# Altium PCB micro-ltc-pvt1g.PcbDoc (part 1 of 4) (continued)
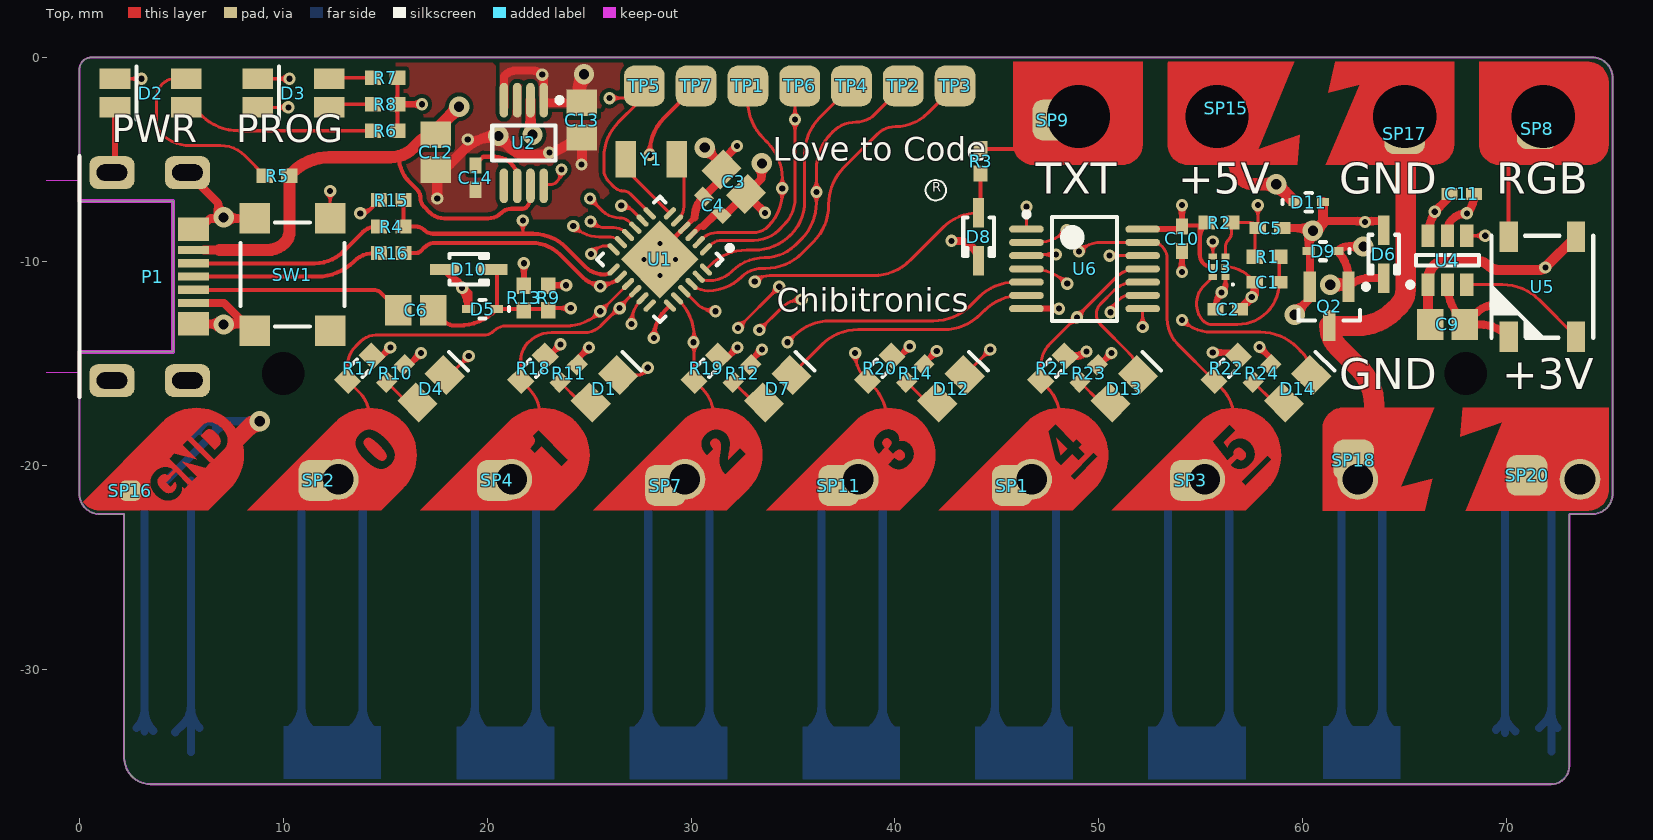
[diagram p0: Top view]
## Free pads (board coordinates)
  rrect25% 5x3.2 smd far side mask+0.07: 0(4.3,-20.1) 0(12.4,-20.1) 0(20.8,-20.1) 0(29.3,-20.1) 0(37.8,-20.1) 0(46.3,-20.1) 0(54.8,-20.1) 0(63.4,-20.1)
  round 1.5 hole 2.1 unplated: 0(10,-15.5) 0(68,-15.5)
  round 2 hole 1.5 mask+0.07: 0(12.7,-20.7) 0(21.2,-20.7) 0(29.7,-20.7) 0(38.2,-20.7) 0(46.7,-20.7) 0(55.2,-20.7) 0(62.7,-20.7) 0(73.6,-20.7)
  round 1.8 hole 3.1 mask+0.07: 0(49,-2.9) 0(55.8,-2.9) 0(65,-2.9) 0(71.8,-2.9)
  rrect25% 5.2x4.7 smd far side mask+0.07: 0(49,-2.7) 0(56.1,-2.7) 0(64.8,-2.7) 0(71.8,-2.7)
  rrect25% 5.6x3.2 smd far side mask+0.07: 0(71.8,-20.1)
  rect 0.254x0.051 on Top Overlay: 1(35.835,-9.768) 1(35.835,-9.006) 1(35.835,-8.65) 1(35.835,-7.888) 1(35.835,-7.533) 1(35.835,-9.717) 1(35.835,-9.666) 1(35.835,-9.615) 1(35.835,-9.565) 1(35.835,-9.514) 1(35.835,-9.463) 1(35.835,-9.412) 1(35.835,-9.361) 1(35.835,-9.311) 1(35.835,-9.26) 1(35.835,-9.209) 1(35.835,-9.158) 1(35.835,-9.107) 1(35.835,-9.057) 1(35.835,-8.955) 1(35.835,-8.904) 1(35.835,-8.853) 1(35.835,-8.803) 1(35.835,-8.752) 1(35.835,-8.701) 1(35.835,-8.599) 1(35.835,-8.549) 1(35.835,-8.498) 1(35.835,-8.447) 1(35.835,-8.396) 1(35.835,-8.345) 1(35.835,-8.295) 1(35.835,-8.244) 1(35.835,-8.193) 1(35.835,-8.142) 1(35.835,-8.091) 1(35.835,-8.041) 1(35.835,-7.99) 1(35.835,-7.939) 1(35.835,-7.837) 1(35.835,-7.787) 1(35.835,-7.736) 1(35.835,-7.685) 1(35.835,-7.634) 1(35.835,-7.583) 1(35.885,-9.971) 1(35.885,-9.92) 1(35.885,-7.329) 1(35.885,-7.279) 1(35.936,-10.123) 1(35.936,-7.126) 1(35.987,-7.025) 1(37.663,-9.971) 1(39.137,-9.971) 1(40.864,-7.075) 1(40.915,-10.073) 1(40.915,-10.022) 1(40.915,-7.228) 1(40.965,-9.869) 1(40.965,-9.514) 1(40.965,-9.158) 1(40.965,-9.107) 1(40.965,-8.752) 1(40.965,-8.396) 1(40.965,-8.345) 1(40.965,-8.041) 1(40.965,-7.99) 1(40.965,-7.634) 1(40.965,-9.819) 1(40.965,-9.768) 1(40.965,-9.717) 1(40.965,-9.666) 1(40.965,-9.412) 1(40.965,-9.361) 1(40.965,-9.311) 1(40.965,-9.26) 1(40.965,-9.057) 1(40.965,-9.006) 1(40.965,-8.955) 1(40.965,-8.904) 1(40.965,-8.803) 1(40.965,-8.701) 1(40.965,-8.65) 1(40.965,-8.599) 1(40.965,-8.549) 1(40.965,-8.295) 1(40.965,-8.244) 1(40.965,-8.193) 1(40.965,-8.142) 1(40.965,-7.939) 1(40.965,-7.888) 1(40.965,-7.837) 1(40.965,-7.787) 1(40.965,-7.685) 1(40.965,-7.533) 1(40.965,-7.482) 1(40.965,-7.431) 1(40.965,-9.615) 1(40.965,-9.565) 1(40.965,-9.463) 1(40.965,-9.209) 1(40.965,-8.853) 1(40.965,-8.498) 1(40.965,-8.447) 1(40.965,-8.091) 1(40.965,-7.736) 1(40.965,-7.583) 1(40.965,-7.38)
  rect 0.305x0.051 on Top Overlay: 1(35.86,-9.869) 1(35.86,-9.819) 1(35.86,-7.482) 1(35.86,-7.431) 1(35.86,-7.38) 1(35.911,-10.073) 1(35.911,-10.022) 1(35.911,-7.228) 1(35.911,-7.177) 1(35.962,-10.225) 1(35.962,-10.174) 1(35.962,-7.075) 1(36.012,-10.327) 1(36.012,-6.974) 1(36.012,-10.276) 1(36.012,-6.923) 1(36.063,-10.428) 1(36.063,-10.377) 1(36.063,-6.872) 1(36.114,-10.479) 1(36.114,-6.771) 1(36.165,-6.72) 1(37.13,-9.565) 1(37.13,-9.209) 1(37.13,-8.803) 1(37.13,-8.447) 1(37.13,-9.514) 1(37.13,-9.463) 1(37.13,-9.412) 1(37.13,-9.361) 1(37.13,-9.311) 1(37.13,-9.26) 1(37.13,-9.158) 1(37.13,-8.752) 1(37.13,-8.701) 1(37.13,-8.65) 1(37.13,-8.599) 1(37.13,-8.549) 1(37.13,-8.498) 1(37.13,-8.396) 1(37.689,-10.073) 1(37.689,-10.022) 1(38.4,-10.073) 1(38.4,-10.022) 1(38.4,-9.971) 1(39.111,-10.123) 1(39.111,-10.073) 1(39.162,-10.022) 1(40.635,-10.581) 1(40.686,-10.53) 1(40.686,-6.771) 1(40.737,-10.428) 1(40.737,-6.821) 1(40.788,-10.377) 1(40.788,-10.327) 1(40.788,-6.923) 1(40.838,-10.276) 1(40.838,-10.225) 1(40.838,-7.025) 1(40.838,-6.974) 1(40.889,-10.174) 1(40.889,-10.123) 1(40.889,-7.177) 1(40.889,-7.126) 1(40.94,-9.92) 1(40.94,-7.279) 1(40.94,-9.971) 1(40.94,-7.329)
  rect 0.356x0.051 on Top Overlay: 1(36.089,-6.821) 1(36.139,-10.53) 1(36.19,-6.669) 1(36.19,-10.581) 1(36.241,-10.631) 1(36.241,-6.618) 1(36.292,-10.682) 1(36.292,-6.567) 1(36.343,-6.517) 1(37.714,-10.123) 1(37.765,-10.174) 1(40.508,-10.733) 1(40.559,-6.618) 1(40.559,-10.682) 1(40.61,-10.631) 1(40.61,-6.669) 1(40.661,-6.72) 1(40.711,-10.479) 1(40.762,-6.872)
  rect 0.406x0.051 on Top Overlay: 1(36.317,-10.733) 1(36.368,-10.784) 1(36.419,-6.466) 1(36.47,-6.415) 1(38.4,-10.123) 1(39.06,-10.174) 1(40.381,-10.835) 1(40.432,-10.784) 1(40.432,-6.466) 1(40.483,-6.517) 1(40.534,-6.567)
  rect 0.457x0.051 on Top Overlay: 1(36.444,-10.835) 1(36.495,-10.885) 1(36.546,-6.364) 1(38.781,-10.428) 1(40.305,-10.885) 1(40.356,-6.415)
  rect 0.508x0.051 on Top Overlay: 1(36.571,-10.936) 1(36.622,-6.313) 1(38.044,-10.428) 1(38.4,-10.174) 1(40.178,-6.313) 1(40.229,-10.936) 1(40.28,-6.364)
  rect 0.559x0.051 on Top Overlay: 1(36.698,-10.987) 1(40.153,-10.987)
  rect 0.61x0.051 on Top Overlay: 1(36.724,-6.263) 1(38.044,-10.377) 1(40.076,-6.263)
  rect 0.66x0.051 on Top Overlay: 1(36.8,-11.038) 1(38.781,-10.377) 1(40,-11.038)
  rect 0.762x0.051 on Top Overlay: 1(36.901,-6.212) 1(39.949,-6.212)
  rect 1.27x0.051 on Top Overlay: 1(37.105,-9.057) 1(37.105,-9.006) 1(37.105,-8.904) 1(37.105,-8.955) 1(39.695,-9.107) 1(39.695,-9.057) 1(39.695,-9.006) 1(39.695,-8.955) 1(39.695,-8.904) 1(39.695,-8.853)
  rect 1.219x0.051 on Top Overlay: 1(37.13,-8.853) 1(37.13,-9.107)
  rect 0.203x0.051 on Top Overlay: 1(38.044,-10.479)
  rect 2.743x0.051 on Top Overlay: 1(38.4,-11.292)
  rect 3.353x0.051 on Top Overlay: 1(38.4,-11.19)
  rect 3.556x0.051 on Top Overlay: 1(38.4,-11.139)
  rect 1.626x0.051 on Top Overlay: 1(38.4,-10.225)
  rect 3.658x0.051 on Top Overlay: 1(38.4,-6.161)
  rect 3.454x0.051 on Top Overlay: 1(38.4,-6.11)
  rect 2.946x0.051 on Top Overlay: 1(38.4,-6.009)
  rect 2.54x0.051 on Top Overlay: 1(38.4,-5.958)
  rect 3.099x0.051 on Top Overlay: 1(38.425,-11.241)
  rect 3.2x0.051 on Top Overlay: 1(38.425,-6.059)
  rect 3.708x0.051 on Top Overlay: 1(38.425,-11.089)
  rect 1.473x0.051 on Top Overlay: 1(38.425,-10.327)
  rect 1.575x0.051 on Top Overlay: 1(38.425,-10.276)
  rect 0.152x0.051 on Top Overlay: 1(38.781,-10.479)
  rect 2.489x0.051 on Bottom Overlay: 1(50.364,-13.773) 1(50.364,-13.722) 1(50.364,-13.672) 1(52.65,-11.386)
  rect 2.54x0.051 on Bottom Overlay: 1(50.389,-14.027) 1(50.389,-13.926) 1(50.389,-13.875) 1(50.389,-13.824) 1(50.389,-13.621) 1(50.389,-13.519) 1(50.389,-13.468) 1(50.389,-13.418) 1(50.389,-13.976) 1(50.389,-13.57) 1(50.491,-13.214) 1(54.809,-13.214) 1(54.911,-13.976) 1(54.911,-13.926) 1(54.911,-13.875) 1(54.911,-13.824) 1(54.911,-13.773) 1(54.911,-13.722) 1(54.911,-13.672) 1(54.911,-13.621) 1(54.911,-13.57) 1(54.911,-13.519) 1(54.911,-13.468) 1(54.911,-13.418)
  rect 2.591x0.051 on Bottom Overlay: 1(50.415,-14.078) 1(50.415,-13.367) 1(50.415,-13.316) 1(50.415,-13.265) 1(50.415,-14.129) 1(50.466,-14.18) 1(54.834,-14.18) 1(54.885,-14.129) 1(54.885,-13.367) 1(54.885,-14.078) 1(54.885,-14.027) 1(54.885,-13.316)
  rect 0.102x0.051 on Bottom Overlay: 1(50.491,-10.928) 1(51.558,-16.161) 1(53.742,-16.161) 1(54.809,-10.928)
  rect 0.254x0.051 on Bottom Overlay: 1(50.516,-16.415) 1(50.516,-10.979) 1(51.532,-16.11) 1(53.768,-16.11) 1(54.784,-16.415) 1(54.784,-10.979)
  rect 0.356x0.051 on Bottom Overlay: 1(50.516,-16.364) 1(50.516,-11.03) 1(51.482,-16.059) 1(53.818,-16.059) 1(54.784,-11.03)
  rect 0.152x0.051 on Bottom Overlay: 1(50.516,-16.466) 1(54.784,-16.466)
  rect 0.457x0.051 on Bottom Overlay: 1(50.516,-11.081)
  rect 0.508x0.051 on Bottom Overlay: 1(50.542,-16.313) 1(54.758,-16.313) 1(54.758,-11.081)
  rect 0.61x0.051 on Bottom Overlay: 1(50.542,-16.262) 1(50.542,-11.132) 1(54.758,-11.132)
  rect 0.711x0.051 on Bottom Overlay: 1(50.542,-11.182)
  rect 0.762x0.051 on Bottom Overlay: 1(50.567,-16.212) 1(54.733,-16.212) 1(54.733,-11.182)
  rect 0.864x0.051 on Bottom Overlay: 1(50.567,-16.161) 1(50.567,-11.233) 1(52.65,-10.166) 1(54.733,-16.161) 1(54.733,-11.233)
  rect 0.965x0.051 on Bottom Overlay: 1(50.567,-11.284) 1(52.65,-10.319) 1(52.65,-10.268) 1(52.65,-10.217) 1(54.733,-11.284)
  rect 1.016x0.051 on Bottom Overlay: 1(50.593,-16.11) 1(52.625,-10.37) 1(54.707,-16.11)
  rect 2.337x0.051 on Bottom Overlay: 1(50.593,-14.23) 1(51.355,-12.706) 1(54.707,-14.23)
  rect 1.219x0.051 on Bottom Overlay: 1(50.593,-11.386) 1(52.625,-10.928) 1(54.707,-11.386)
  rect 1.118x0.051 on Bottom Overlay: 1(50.593,-11.335) 1(50.593,-16.059) 1(52.625,-10.674) 1(54.707,-11.335) 1(54.707,-16.059)
  rect 2.286x0.051 on Bottom Overlay: 1(50.618,-13.164) 1(53.92,-12.706) 1(54.631,-13.164)
  rect 2.134x0.051 on Bottom Overlay: 1(50.745,-14.281) 1(51.253,-12.757) 1(54.047,-12.757) 1(54.555,-14.281)
  rect 1.829x0.051 on Bottom Overlay: 1(50.796,-15.907) 1(50.897,-15.653) 1(50.948,-15.551) 1(50.948,-14.383) 1(50.948,-13.062) 1(50.999,-14.434) 1(50.999,-13.011) 1(51.202,-14.992) 1(51.202,-14.942) 1(54.098,-14.992) 1(54.098,-14.942) 1(54.25,-12.96) 1(54.301,-15.5) 1(54.301,-14.434) 1(54.301,-14.383) 1(54.301,-13.011) 1(54.352,-15.602) 1(54.352,-15.551) 1(54.352,-13.062) 1(54.403,-15.653) 1(54.504,-15.907)
  rect 1.93x0.051 on Bottom Overlay: 1(50.796,-15.856) 1(51.101,-14.535) 1(51.101,-12.859) 1(51.202,-14.789) 1(51.202,-14.84) 1(54.098,-14.84) 1(54.098,-14.789) 1(54.199,-12.859) 1(54.199,-14.535) 1(54.25,-14.484) 1(54.504,-15.856)
  rect 2.032x0.051 on Bottom Overlay: 1(50.796,-13.113) 1(51.151,-14.637) 1(51.202,-14.738) 1(51.202,-14.688) 1(54.098,-14.738) 1(54.098,-14.688) 1(54.098,-14.637) 1(54.504,-13.113)
  rect 1.778x0.051 on Bottom Overlay: 1(50.821,-15.958) 1(50.974,-15.5) 1(51.024,-15.45) 1(51.024,-15.399) 1(51.075,-15.348) 1(51.126,-15.246) 1(54.174,-15.246) 1(54.225,-15.348) 1(54.276,-15.45) 1(54.276,-15.399) 1(54.479,-15.958)
  rect 1.88x0.051 on Bottom Overlay: 1(50.821,-15.805) 1(50.821,-15.754) 1(50.872,-15.704) 1(50.923,-14.332) 1(50.923,-15.602) 1(51.024,-14.484) 1(51.024,-12.96) 1(51.075,-12.91) 1(51.177,-14.891) 1(54.072,-14.891) 1(54.225,-12.91) 1(54.377,-14.332) 1(54.428,-15.754) 1(54.428,-15.704) 1(54.479,-15.805)
  rect 1.676x0.051 on Bottom Overlay: 1(50.821,-16.008) 1(51.177,-15.145)
  rect 1.727x0.051 on Bottom Overlay: 1(51.101,-15.297) 1(51.151,-15.196) 1(51.202,-15.094) 1(51.202,-15.043) 1(52.625,-11.233) 1(54.098,-15.145) 1(54.098,-15.094) 1(54.098,-15.043) 1(54.149,-15.196) 1(54.199,-15.297) 1(54.453,-16.008)
  rect 1.981x0.051 on Bottom Overlay: 1(51.126,-14.586) 1(51.177,-12.808) 1(52.65,-11.284) 1(54.123,-12.808) 1(54.174,-14.586)
  rect 4.674x0.051 on Bottom Overlay: 1(52.625,-12.249)
  rect 5.08x0.051 on Bottom Overlay: 1(52.625,-11.944)
  rect 4.877x0.051 on Bottom Overlay: 1(52.625,-12.097)
  rect 1.27x0.051 on Bottom Overlay: 1(52.65,-11.132) 1(52.65,-11.081) 1(52.65,-11.03) 1(52.65,-10.979)
  rect 4.826x0.051 on Bottom Overlay: 1(52.65,-12.656) 1(52.65,-12.605) 1(52.65,-12.148)
  rect 4.724x0.051 on Bottom Overlay: 1(52.65,-12.554) 1(52.65,-12.198) 1(52.65,-12.503)
  rect 4.623x0.051 on Bottom Overlay: 1(52.65,-12.402) 1(52.65,-12.351) 1(52.65,-12.3) 1(52.65,-12.452)
  rect 5.029x0.051 on Bottom Overlay: 1(52.65,-11.995)
  rect 5.131x0.051 on Bottom Overlay: 1(52.65,-11.894)
  rect 5.232x0.051 on Bottom Overlay: 1(52.65,-11.843)
  rect 5.334x0.051 on Bottom Overlay: 1(52.65,-11.792) 1(52.65,-11.741)
  rect 5.537x0.051 on Bottom Overlay: 1(52.65,-11.64) 1(52.65,-11.589) 1(52.65,-11.487)
  rect 5.639x0.051 on Bottom Overlay: 1(52.65,-11.538)
  rect 5.436x0.051 on Bottom Overlay: 1(52.65,-11.436) 1(52.65,-11.69)
  rect 1.473x0.051 on Bottom Overlay: 1(52.65,-11.182)
  rect 1.168x0.051 on Bottom Overlay: 1(52.65,-10.878) 1(52.65,-10.827) 1(52.65,-10.776) 1(52.65,-10.725)
  rect 1.067x0.051 on Bottom Overlay: 1(52.65,-10.522) 1(52.65,-10.471) 1(52.65,-10.42) 1(52.65,-10.624) 1(52.65,-10.573)
  rect 4.928x0.051 on Bottom Overlay: 1(52.65,-12.046)
  rect 2.184x0.051 on Bottom Overlay: 1(52.65,-11.335)
  rect 0.66x0.051 on Bottom Overlay: 1(54.733,-16.262)
  rect 0.406x0.051 on Bottom Overlay: 1(54.758,-16.364)
  rect 2.642x0.051 on Bottom Overlay: 1(54.86,-13.265)

## Via types
v1: diameter 0.6, hole 0.3, Top to Bottom, tented both sides, 82 vias
v2: diameter 1, hole 0.5, Top to Bottom, tented both sides, 14 vias
v3: diameter 0.5, hole 0.25, Top to Bottom, 4 vias

## Nets (pads, with @x,y where several pads share a name; then routed paths per layer and width w, separated by ;. In a path a pad name is that pad's centre, name@x,y a point inside that pad or via, vN(x,y) a via of type N, cw(c..) or ccw(c..) an arc to the next point about the centre after c; other vN are vias at no path point)
ANA0: pad.0@12.4,-20.1 pad.0@12.7,-20.7 R17.1 SP2.1 U1.9 U1.15 U6.1 | length 479.6
  Top w0.15: 14.25,-17.675 ccw(c12.505,-17.675) 13.739,-16.441 R17.1@13.149,-15.851 13.149,-15.143 cw(c14.518,-15.143) 13.55,-14.175 13.799,-13.926 cw(c14.525,-14.651) 14.525,-13.625 19.825,-13.625 ccw(c19.825,-12.9) 20.337,-13.413 cw(c20.911,-13.986) 20.911,-13.175 23.846,-13.175 ccw(c23.846,-10.746) 25.564,-12.464 U1.15@26.912,-11.115 ; v1@25.05,-7.025 v1(25.05,-6.925) 25.646,-7.521 ccw(c26.5,-6.668) 26.5,-7.875 cw(c26.5,-8.561) 26.985,-8.076 U1.9@27.266,-8.357 ; U6.1@46.45,-8.425 v1(46.45,-7.325)
  L2 w0.15: v1(25.55,-12.45) 25.1,-12.45 24.35,-11.7 23.5,-11.7 22.925,-11.125 22.925,-8.075 24.075,-6.925 v1(25.05,-6.925) 25.95,-6.925 26.3,-6.575 30.25,-6.575 32.65,-8.975 40.3,-8.975 41.95,-7.325 v1(46.45,-7.325)
  L3 w0.15: 10,-34.914 10.486,-35.4 ; 10,-34.905 11.127,-33.778 ; 10,-34.348 11.052,-35.4 ; 10,-34.34 10.844,-33.495 ; 10,-33.783 11.617,-35.4 ; 10,-33.774 10.561,-33.213 ; 10,-33.217 12.183,-35.4 ; 10,-33.208 10.278,-32.93 ; 10,-32.651 10.278,-32.93 ; 10,-32.642 10.278,-32.364 ; 10,-32.086 10.278,-32.364 ; 10,-32.077 10.278,-31.798 ; 10,-31.52 10.278,-31.798 ; 10,-31.511 10.278,-31.233 ; 10,-30.945 14.8,-26.145 ; 10,-30.388 10.278,-30.667 14.521,-34.91 14.8,-35.188 ; 10,-30.38 14.8,-25.58 ; 10,-29.823 10.278,-30.101 14.521,-34.344 14.8,-34.623 ; 10,-29.814 14.8,-25.014 ; 10,-29.257 10.278,-29.536 14.521,-33.778 14.8,-34.057 ; 10,-29.248 14.8,-24.448 ; 10,-28.691 10.278,-28.97 14.521,-33.213 14.8,-33.491 ; 10,-28.683 14.8,-23.883 ; 10,-28.126 10.278,-28.404 14.521,-32.647 14.8,-32.926 ; 10,-28.117 14.8,-23.317 ; 10,-27.56 10.278,-27.839 14.521,-32.081 14.8,-32.36 ; 10,-27.551 14.8,-22.751 ; 10,-26.994 10.278,-27.273 14.521,-31.515 14.8,-31.794 ; 10,-26.986 14.8,-22.186 ; 10,-26.429 10.278,-26.707 14.521,-30.95 14.8,-31.229 ; 10,-26.42 14.8,-21.62 ; 10,-25.863 10.278,-26.141 14.521,-30.384 14.8,-30.663 ; 10,-25.854 14.8,-21.054 ; 10,-25.297 10.278,-25.576 14.521,-29.818 14.8,-30.097 ; 10,-25.289 14.389,-20.9 ; 10,-24.732 10.278,-25.01 14.521,-29.253 14.8,-29.532 ; 10,-24.723 13.823,-20.9 ; 10,-24.166 10.278,-24.444 14.521,-28.687 14.8,-28.966 ; 10,-24.157 pad.0@13.257,-20.9 ; 10,-23.6 10.278,-23.879 14.521,-28.121 14.8,-28.4 ; 10,-23.592 10.269,-23.304 ; 10,-23.035 10.269,-23.304 ; 10,-23.026 pad.0@12.126,-20.9 ; 10,-22.469 10.278,-22.747 10.542,-23.011 ; 10,-22.46 11.56,-20.9 ; 10,-21.903 10.278,-22.182 10.561,-22.465 10.815,-22.718 ; 10,-21.894 10.994,-20.9 ; 10,-21.338 10.278,-21.616 10.844,-22.182 11.088,-22.426 ; 10,-21.329 10.429,-20.9 ; 10.071,-35.4 11.41,-34.061 ; 10.637,-35.4 11.693,-34.344 ; 11.202,-35.4 11.976,-34.627 ; 11.768,-35.4 12.258,-34.91 ; 12.334,-35.4 12.541,-35.192 ; pad.0@12.7,-20.7 pad.0@12.513,-20.9 ; 12.749,-35.4 12.541,-35.192 ; 12.899,-35.4 13.107,-35.192 ; 13.314,-35.4 13.107,-35.192 ; 13.465,-35.4 14.8,-34.065 ; 13.88,-35.4 13.39,-34.91 ; 14.031,-35.4 14.8,-34.631 ; 14.596,-35.4 14.8,-35.196 ; 14.8,-33.499 13.673,-34.627 ; 14.8,-32.934 13.39,-34.344 ; 14.8,-32.368 13.107,-34.061 ; 14.8,-31.802 12.824,-33.778 ; 14.8,-31.237 12.541,-33.495 ; 14.8,-30.671 12.258,-33.213 ; 14.8,-30.105 11.976,-32.93 ; 14.8,-29.54 11.693,-32.647 ; 14.8,-28.974 11.41,-32.364 ; 14.8,-28.408 11.127,-32.081 ; 14.8,-27.842 10.844,-31.798 ; 14.8,-27.835 14.521,-27.556 10.561,-23.596 10.269,-23.304 ; 14.8,-27.277 10.561,-31.515 ; 14.8,-27.269 14.521,-26.99 10.844,-23.313 10.542,-23.011 ; 14.8,-26.711 10.278,-31.233 ; 14.8,-26.703 14.521,-26.424 11.127,-23.03 10.815,-22.718 ; 14.8,-26.138 14.521,-25.859 11.41,-22.747 11.088,-22.426 ; 14.8,-25.572 14.521,-25.293 11.693,-22.465 11.362,-22.133 ; 14.8,-25.006 14.521,-24.727 11.976,-22.182 11.635,-21.841 ; 14.8,-24.44 14.521,-24.162 12.258,-21.899 11.908,-21.548 ; 14.8,-23.875 14.521,-23.596 12.541,-21.616 pad.0@12.181,-21.256 ; 14.8,-23.309 14.521,-23.03 12.824,-21.333 pad.0@12.454,-20.963 ; 14.8,-22.743 14.521,-22.465 13.107,-21.05 pad.0@12.957,-20.9 ; 14.8,-22.178 pad.0@13.522,-20.9 ; 14.8,-21.612 14.088,-20.9 ; 14.8,-21.046 14.654,-20.9 ; 10.128,-20.9 10.278,-21.05 11.127,-21.899 11.362,-22.133 ; 10.128,-20.9 10.429,-20.9 ; 10.128,-20.9 10,-20.9 10,-35.4 14.8,-35.4 14.8,-20.9 14.654,-20.9 ; 10.269,-23.304 10.542,-23.011 ; 10.278,-32.93 10.561,-33.213 ; 10.278,-32.93 10.561,-32.647 ; 10.278,-32.364 10.561,-32.647 ; 10.278,-32.364 10.561,-32.081 ; 10.278,-31.798 10.561,-32.081 ; 10.278,-31.798 10.561,-31.515 ; 10.278,-31.233 14.238,-35.192 14.446,-35.4 13.673,-34.627 ; 10.278,-31.233 10,-30.954 10.278,-31.233 ; 10.278,-31.233 10.561,-31.515 ; 10.429,-20.9 10.694,-20.9 ; 10.542,-23.011 10.815,-22.718 ; 10.561,-33.213 10.844,-32.93 ; 10.561,-33.213 10.844,-33.495 ; 10.561,-32.647 10.844,-32.93 ; 10.561,-32.647 10.844,-32.364 ; 10.561,-32.081 10.844,-32.364 ; 10.561,-32.081 10.844,-31.798 ; 10.561,-31.515 10.844,-31.798 ; 10.694,-20.9 10.994,-20.9 ; 10.694,-20.9 10.844,-21.05 11.41,-21.616 11.635,-21.841 ; 10.815,-22.718 11.088,-22.426 ; 10.844,-33.495 11.127,-33.213 ; 10.844,-33.495 11.127,-33.778 ; 10.844,-32.93 11.127,-32.647 ; 10.844,-32.93 11.127,-33.213 ; 10.844,-32.364 11.127,-32.647 ; 10.844,-32.364 11.127,-32.081 ; 10.844,-31.798 11.127,-32.081 ; 10.994,-20.9 11.26,-20.9 ; 11.088,-22.426 11.362,-22.133 ; 11.127,-33.778 11.41,-33.495 ; 11.127,-33.778 11.41,-34.061 ; 11.127,-33.213 11.41,-32.93 ; 11.127,-33.213 11.41,-33.495 ; 11.127,-32.647 11.41,-32.364 ; 11.127,-32.647 11.41,-32.93 ; 11.127,-32.081 11.41,-32.364 ; 11.26,-20.9 11.56,-20.9 ; 11.26,-20.9 11.41,-21.05 11.693,-21.333 11.908,-21.548 ; 11.362,-22.133 11.635,-21.841 ; 11.41,-34.061 11.693,-33.778 ; 11.41,-34.061 11.693,-34.344 ; 11.41,-33.495 11.693,-33.213 ; 11.41,-33.495 11.693,-33.778 ; 11.41,-32.93 11.693,-32.647 ; 11.41,-32.93 11.693,-33.213 ; 11.41,-32.364 11.693,-32.647 ; 11.56,-20.9 pad.0@11.825,-20.9 ; 11.635,-21.841 11.908,-21.548 ; 11.693,-34.344 11.976,-34.627 ; 11.693,-34.344 11.976,-34.061 ; 11.693,-33.778 11.976,-33.495 ; 11.693,-33.778 11.976,-34.061 ; 11.693,-33.213 11.976,-32.93 ; 11.693,-33.213 11.976,-33.495 ; 11.693,-32.647 11.976,-32.93 ; pad.0@11.825,-20.9 pad.0@12.126,-20.9 ; pad.0@11.825,-20.9 11.976,-21.05 12.163,-21.237 pad.0@12.181,-21.256 ; 11.908,-21.548 pad.0@12.181,-21.256 ; 11.976,-34.627 12.258,-34.91 ; 11.976,-34.627 12.258,-34.344 ; 11.976,-34.061 12.258,-34.344 ; 11.976,-34.061 12.258,-33.778 ; 11.976,-33.495 12.258,-33.213 ; 11.976,-33.495 12.258,-33.778 ; 11.976,-32.93 12.258,-33.213 ; pad.0@12.126,-20.9 pad.0@12.391,-20.9 ; pad.0@12.181,-21.256 pad.0@12.454,-20.963 ; 12.258,-34.91 12.541,-35.192 ; 12.258,-34.91 12.541,-34.627 ; 12.258,-34.344 12.541,-34.627 ; 12.258,-34.344 12.541,-34.061 ; 12.258,-33.778 12.541,-34.061 ; 12.258,-33.778 12.541,-33.495 ; 12.258,-33.213 12.541,-33.495 ; pad.0@12.391,-20.9 pad.0@12.513,-20.9 ; pad.0@12.391,-20.9 pad.0@12.454,-20.963 ; pad.0@12.454,-20.963 pad.0@12.513,-20.9 ; pad.0@12.513,-20.9 pad.0@12.957,-20.9 ; 12.541,-35.192 12.824,-34.91 ; 12.541,-34.627 12.824,-34.91 ; 12.541,-34.627 12.824,-34.344 ; 12.541,-34.061 12.824,-34.344 ; 12.541,-34.061 12.824,-33.778 ; 12.541,-33.495 12.824,-33.778 ; 12.824,-34.91 13.107,-35.192 ; 12.824,-34.91 13.107,-34.627 ; 12.824,-34.344 13.107,-34.627 ; 12.824,-34.344 13.107,-34.061 ; 12.824,-33.778 13.107,-34.061 ; pad.0@12.957,-20.9 pad.0@13.257,-20.9 ; 13.107,-35.192 13.39,-34.91 ; 13.107,-34.627 13.39,-34.91 ; 13.107,-34.627 13.39,-34.344 ; 13.107,-34.061 13.39,-34.344 ; pad.0@13.257,-20.9 pad.0@13.522,-20.9 ; 13.39,-34.91 13.673,-34.627 ; 13.39,-34.344 13.673,-34.627 ; pad.0@13.522,-20.9 13.823,-20.9 ; 13.823,-20.9 14.088,-20.9 ; 14.088,-20.9 14.389,-20.9 ; 14.389,-20.9 14.654,-20.9
  Bottom w0.4: 10.3,-33 10.476,-32.824 ccw(c9.451,-31.8) 10.9,-31.8 ; 10.625,-33.8 10.9,-33.525 10.9,-21.364 11.564,-20.7 pad.0@12.7,-20.7 ; 10.9,-31.9 ccw(c12.349,-31.9) 11.324,-32.924 ; 13.3,-33 13.476,-32.824 ccw(c12.451,-31.8) 13.9,-31.8 ; 13.9,-33.375 pad.0@13.9,-20.9 ; 13.9,-31.9 ccw(c15.349,-31.9) 14.324,-32.924
ANA1: pad.0@20.8,-20.1 pad.0@21.2,-20.7 R18.1 SP4.1 U1.10 U1.16 U6.3 | length 469.2
  Top w0.15: 22.054,-16.256 cw(c20.734,-17.575) 22.6,-17.575 ; 22.053,-16.256 R18.1@21.649,-15.851 21.649,-14.847 cw(c22.847,-14.847) 22,-14 22.04,-13.96 cw(c23.15,-15.069) 23.15,-13.5 24.767,-13.5 ccw(c24.767,-12.353) 25.578,-13.164 ; v1(25.075,-8.05) ccw(c25.799,-7.326) 25.799,-8.35 26.225,-8.35 cw(c26.225,-9.139) 26.783,-8.581 U1.10@26.912,-8.711 ; 25.579,-13.164 27.266,-11.476 U1.16@27.266,-11.468 ; U6.3@46.65,-9.675 v1(47.9,-9.675)
  L2 w0.15: v1(26.5,-12.3) 26,-11.8 25.025,-11.8 24.75,-11.525 24.75,-11.225 23.95,-10.425 23.7,-10.425 23.35,-10.075 23.35,-8.3 24,-7.65 24.675,-7.65 v1(25.075,-8.05) 29.7,-8.05 31.6,-9.95 41.475,-9.95 41.75,-9.675 v1(47.9,-9.675)
  L3 w0.15: 18.497,-34.924 18.983,-35.41 ; 18.497,-34.915 19.624,-33.788 ; 18.497,-34.358 19.549,-35.41 ; 18.497,-34.349 19.341,-33.505 ; 18.497,-33.792 20.115,-35.41 ; 18.497,-33.784 19.059,-33.222 ; 18.497,-33.227 20.68,-35.41 ; 18.497,-33.218 18.776,-32.939 ; 18.497,-32.661 18.776,-32.939 ; 18.497,-32.652 18.776,-32.374 ; 18.497,-32.095 18.776,-32.374 ; 18.497,-32.087 18.776,-31.808 ; 18.497,-31.53 18.776,-31.808 ; 18.497,-31.521 18.776,-31.242 ; 18.497,-30.955 23.297,-26.155 ; 18.497,-30.398 18.776,-30.677 23.018,-34.919 23.297,-35.198 ; 18.497,-30.39 23.297,-25.59 ; 18.497,-29.833 18.776,-30.111 23.018,-34.354 23.297,-34.633 ; 18.497,-29.824 23.297,-25.024 ; 18.497,-29.267 18.776,-29.545 23.018,-33.788 23.297,-34.067 ; 18.497,-29.258 23.297,-24.458 ; 18.497,-28.701 18.776,-28.98 23.018,-33.222 23.297,-33.501 ; 18.497,-28.692 23.297,-23.892 ; 18.497,-28.135 18.776,-28.414 23.018,-32.657 23.297,-32.935 ; 18.497,-28.127 23.297,-23.327 ; 18.497,-27.57 18.776,-27.848 23.018,-32.091 23.297,-32.37 ; 18.497,-27.561 23.297,-22.761 ; 18.497,-27.004 18.776,-27.283 23.018,-31.525 23.297,-31.804 ; 18.497,-26.995 23.297,-22.195 ; 18.497,-26.438 18.776,-26.717 23.018,-30.96 23.297,-31.238 ; 18.497,-26.43 23.297,-21.63 ; 18.497,-25.873 18.776,-26.151 23.018,-30.394 23.297,-30.673 ; 18.497,-25.864 23.297,-21.064 ; 18.497,-25.307 18.776,-25.586 23.018,-29.828 23.297,-30.107 ; 18.497,-25.298 22.886,-20.91 ; 18.497,-24.741 18.776,-25.02 23.018,-29.262 23.297,-29.541 ; 18.497,-24.733 22.32,-20.91 ; 18.497,-24.176 18.776,-24.454 23.018,-28.697 23.297,-28.976 ; 18.497,-24.167 pad.0@21.754,-20.91 ; 18.497,-23.61 18.776,-23.889 23.018,-28.131 23.297,-28.41 ; 18.497,-23.601 18.766,-23.313 ; 18.497,-23.044 18.766,-23.313 ; 18.497,-23.036 pad.0@20.623,-20.91 ; 18.497,-22.479 18.776,-22.757 19.039,-23.021 ; 18.497,-22.47 20.057,-20.91 ; 18.497,-21.913 18.776,-22.191 19.059,-22.474 19.312,-22.728 ; 18.497,-21.904 19.492,-20.91 ; 18.497,-21.347 18.776,-21.626 19.341,-22.191 19.586,-22.436 ; 18.497,-21.339 18.926,-20.91 ; 18.568,-35.41 19.907,-34.071 ; 19.134,-35.41 20.19,-34.354 ; 19.699,-35.41 20.473,-34.636 ; 20.265,-35.41 20.756,-34.919 ; 20.831,-35.41 21.038,-35.202 ; pad.0@21.197,-20.71 pad.0@21.01,-20.91 ; 21.246,-35.41 21.038,-35.202 ; 21.397,-35.41 21.604,-35.202 ; 21.812,-35.41 21.604,-35.202 ; 21.962,-35.41 23.297,-34.075 ; 22.377,-35.41 21.887,-34.919 ; 22.528,-35.41 23.297,-34.64 ; 23.094,-35.41 23.297,-35.206 ; 23.297,-33.509 22.17,-34.636 ; 23.297,-32.943 21.887,-34.354 ; 23.297,-32.378 21.604,-34.071 ; 23.297,-31.812 21.321,-33.788 ; 23.297,-31.246 21.038,-33.505 ; 23.297,-30.681 20.756,-33.222 ; 23.297,-30.115 20.473,-32.939 ; 23.297,-29.549 20.19,-32.657 ; 23.297,-28.984 19.907,-32.374 ; 23.297,-28.418 19.624,-32.091 ; 23.297,-27.852 19.341,-31.808 ; 23.297,-27.844 23.018,-27.565 19.059,-23.606 18.766,-23.313 ; 23.297,-27.287 19.059,-31.525 ; 23.297,-27.279 23.018,-27 19.341,-23.323 19.039,-23.021 ; 23.297,-26.721 18.776,-31.242 ; 23.297,-26.713 23.018,-26.434 19.624,-23.04 19.312,-22.728 ; 23.297,-26.147 23.018,-25.868 19.907,-22.757 19.586,-22.436 ; 23.297,-25.582 23.018,-25.303 20.19,-22.474 19.859,-22.143 ; 23.297,-25.016 23.018,-24.737 20.473,-22.191 20.132,-21.851 ; 23.297,-24.45 23.018,-24.171 20.756,-21.909 20.405,-21.558 ; 23.297,-23.885 23.018,-23.606 21.038,-21.626 pad.0@20.678,-21.266 ; 23.297,-23.319 23.018,-23.04 21.321,-21.343 pad.0@20.951,-20.973 ; 23.297,-22.753 23.018,-22.474 21.604,-21.06 pad.0@21.454,-20.91 ; 23.297,-22.187 pad.0@22.019,-20.91 ; 23.297,-21.622 22.585,-20.91 ; 23.297,-21.056 23.151,-20.91 ; 18.625,-20.91 18.776,-21.06 19.624,-21.909 19.859,-22.143 ; 18.625,-20.91 18.926,-20.91 ; 18.625,-20.91 18.497,-20.91 18.497,-35.41 23.297,-35.41 23.297,-20.91 23.151,-20.91 ; 18.766,-23.313 19.039,-23.021 ; 18.776,-32.939 19.059,-32.657 ; 18.776,-32.939 19.059,-33.222 ; 18.776,-32.374 19.059,-32.091 ; 18.776,-32.374 19.059,-32.657 ; 18.776,-31.808 19.059,-31.525 ; 18.776,-31.808 19.059,-32.091 ; 18.776,-31.242 22.735,-35.202 22.943,-35.41 22.17,-34.636 ; 18.776,-31.242 18.497,-30.964 18.776,-31.242 ; 18.776,-31.242 19.059,-31.525 ; 18.926,-20.91 19.191,-20.91 ; 19.039,-23.021 19.312,-22.728 ; 19.059,-33.222 19.341,-32.939 ; 19.059,-33.222 19.341,-33.505 ; 19.059,-32.657 19.341,-32.374 ; 19.059,-32.657 19.341,-32.939 ; 19.059,-32.091 19.341,-31.808 ; 19.059,-32.091 19.341,-32.374 ; 19.059,-31.525 19.341,-31.808 ; 19.191,-20.91 19.492,-20.91 ; 19.191,-20.91 19.341,-21.06 19.907,-21.626 20.132,-21.851 ; 19.312,-22.728 19.586,-22.436 ; 19.341,-33.505 19.624,-33.222 ; 19.341,-33.505 19.624,-33.788 ; 19.341,-32.939 19.624,-32.657 ; 19.341,-32.939 19.624,-33.222 ; 19.341,-32.374 19.624,-32.091 ; 19.341,-32.374 19.624,-32.657 ; 19.341,-31.808 19.624,-32.091 ; 19.492,-20.91 19.757,-20.91 ; 19.586,-22.436 19.859,-22.143 ; 19.624,-33.788 19.907,-33.505 ; 19.624,-33.788 19.907,-34.071 ; 19.624,-33.222 19.907,-32.939 ; 19.624,-33.222 19.907,-33.505 ; 19.624,-32.657 19.907,-32.374 ; 19.624,-32.657 19.907,-32.939 ; 19.624,-32.091 19.907,-32.374 ; 19.757,-20.91 20.057,-20.91 ; 19.757,-20.91 19.907,-21.06 20.19,-21.343 20.405,-21.558 ; 19.859,-22.143 20.132,-21.851 ; 19.907,-34.071 20.19,-33.788 ; 19.907,-34.071 20.19,-34.354 ; 19.907,-33.505 20.19,-33.222 ; 19.907,-33.505 20.19,-33.788 ; 19.907,-32.939 20.19,-32.657 ; 19.907,-32.939 20.19,-33.222 ; 19.907,-32.374 20.19,-32.657 ; 20.057,-20.91 pad.0@20.322,-20.91 ; 20.132,-21.851 20.405,-21.558 ; 20.19,-34.354 20.473,-34.636 ; 20.19,-34.354 20.473,-34.071 ; 20.19,-33.788 20.473,-33.505 ; 20.19,-33.788 20.473,-34.071 ; 20.19,-33.222 20.473,-32.939 ; 20.19,-33.222 20.473,-33.505 ; 20.19,-32.657 20.473,-32.939 ; pad.0@20.322,-20.91 pad.0@20.623,-20.91 ; pad.0@20.322,-20.91 20.473,-21.06 20.656,-21.244 pad.0@20.678,-21.266 ; 20.405,-21.558 pad.0@20.678,-21.266 ; 20.473,-34.636 20.756,-34.919 ; 20.473,-34.636 20.756,-34.354 ; 20.473,-34.071 20.756,-34.354 ; 20.473,-34.071 20.756,-33.788 ; 20.473,-33.505 20.756,-33.222 ; 20.473,-33.505 20.756,-33.788 ; 20.473,-32.939 20.756,-33.222 ; pad.0@20.623,-20.91 pad.0@20.888,-20.91 ; pad.0@20.678,-21.266 pad.0@20.951,-20.973 ; 20.756,-34.919 21.038,-35.202 ; 20.756,-34.919 21.038,-34.636 ; 20.756,-34.354 21.038,-34.636 ; 20.756,-34.354 21.038,-34.071 ; 20.756,-33.788 21.038,-34.071 ; 20.756,-33.788 21.038,-33.505 ; 20.756,-33.222 21.038,-33.505 ; pad.0@20.888,-20.91 pad.0@21.01,-20.91 ; pad.0@20.888,-20.91 pad.0@20.951,-20.973 ; pad.0@20.951,-20.973 pad.0@21.01,-20.91 ; pad.0@21.01,-20.91 pad.0@21.454,-20.91 ; 21.038,-35.202 21.321,-34.919 ; 21.038,-34.636 21.321,-34.919 ; 21.038,-34.636 21.321,-34.354 ; 21.038,-34.071 21.321,-34.354 ; 21.038,-34.071 21.321,-33.788 ; 21.038,-33.505 21.321,-33.788 ; 21.321,-34.919 21.604,-35.202 ; 21.321,-34.919 21.604,-34.636 ; 21.321,-34.354 21.604,-34.636 ; 21.321,-34.354 21.604,-34.071 ; 21.321,-33.788 21.604,-34.071 ; pad.0@21.454,-20.91 pad.0@21.754,-20.91 ; 21.604,-35.202 21.887,-34.919 ; 21.604,-34.636 21.887,-34.919 ; 21.604,-34.636 21.887,-34.354 ; 21.604,-34.071 21.887,-34.354 ; pad.0@21.754,-20.91 pad.0@22.019,-20.91 ; 21.887,-34.919 22.17,-34.636 ; 21.887,-34.354 22.17,-34.636 ; pad.0@22.019,-20.91 22.32,-20.91 ; 22.32,-20.91 22.585,-20.91 ; 22.585,-20.91 22.886,-20.91 ; 22.886,-20.91 23.151,-20.91
  Bottom w0.4: 18.8,-33 18.976,-32.824 ccw(c17.951,-31.8) 19.4,-31.8 ; 19.4,-33.525 pad.0@19.4,-21.364 ; 19.4,-31.9 ccw(c20.849,-31.9) 19.824,-32.924 ; pad.0@20.047,-20.725 pad.0@21.183,-20.725 ; 21.8,-33 21.976,-32.824 ccw(c20.951,-31.8) 22.4,-31.8 ; 22.4,-33.375 pad.0@22.4,-20.9 ; 22.4,-31.9 ccw(c23.849,-31.9) 22.824,-32.924